# Altium PCB TK2560_PCB.PcbDoc (part 2 of 3) (continued)
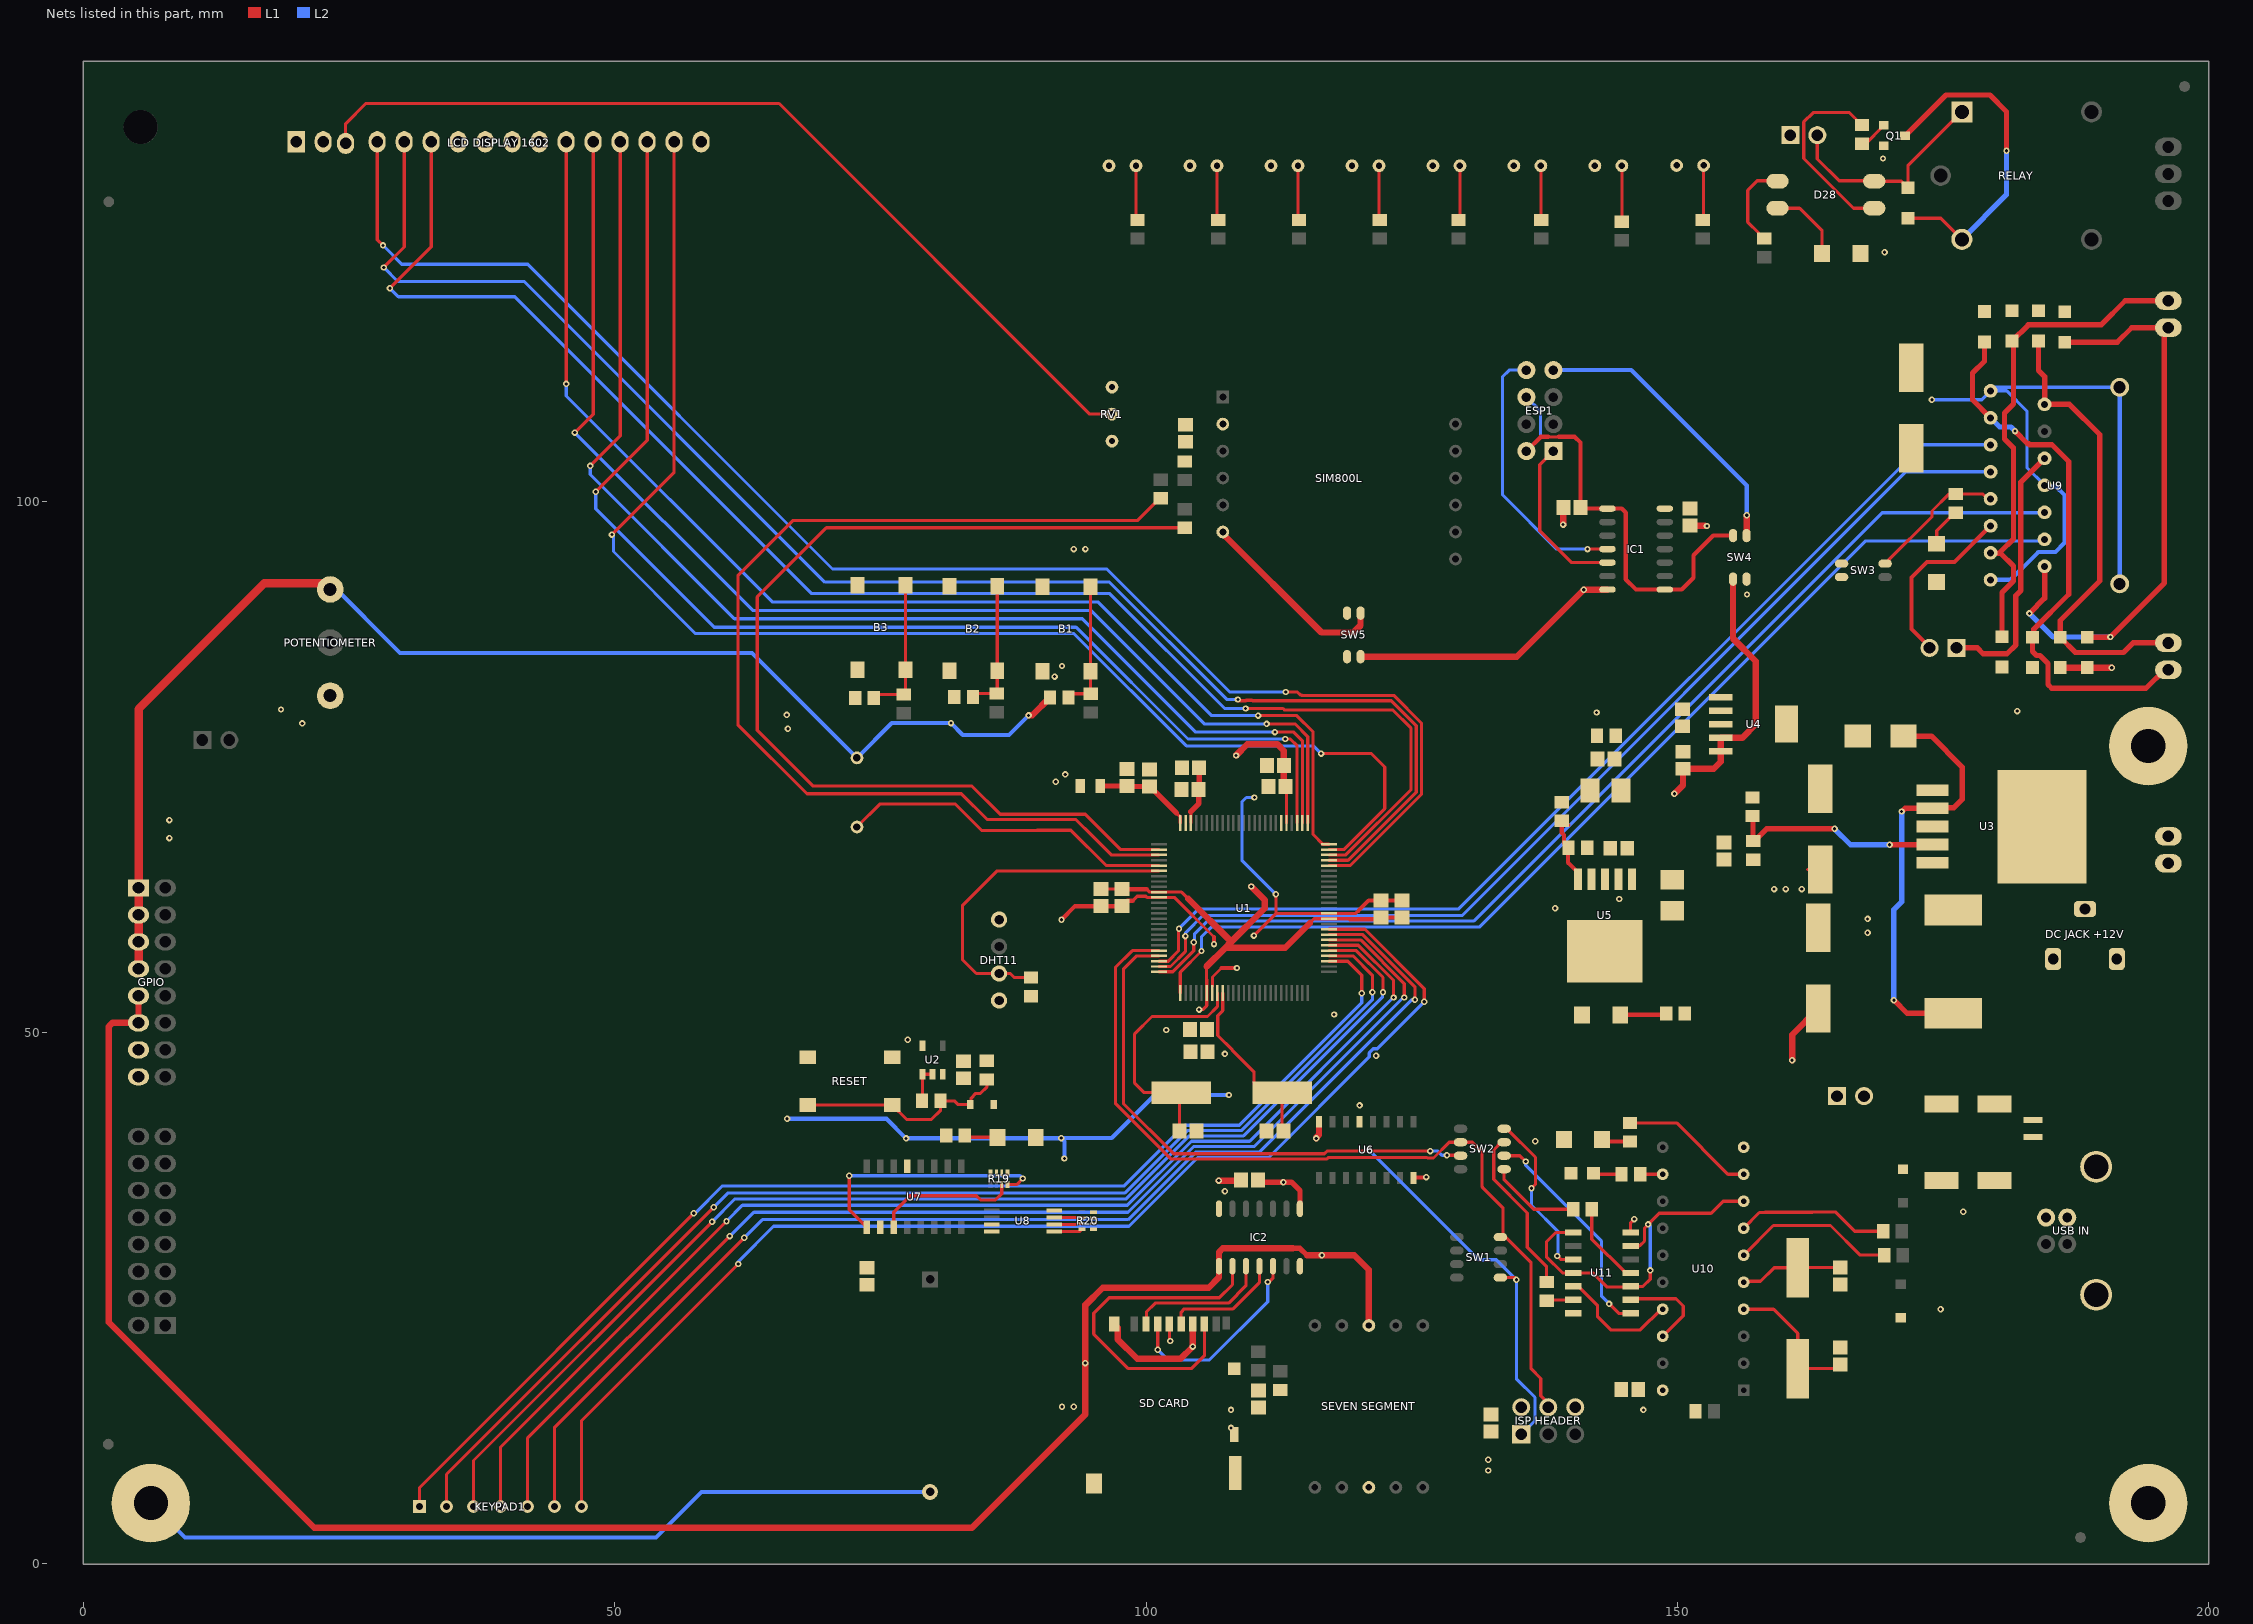
[diagram p2: the nets of this part, all layers, seen from the top]
## Part data (continued)
RV1: "TRIMMER 10K OHM 0.5W PC PIN TOP", Color=Blue, Manufacturer=Bourns, Manufacturer Part Number=3296W-1-103, Max Operating Temperature=125°C, Max Power Dissipation=500mW, Min Operating Temperature=-55°C, Package Quantity=50, Resistance=10kR, Resistance Tolerance=10%, Resistor Type=Cermet, Supplier Part Number 1=3296W-103-ND, Temperature Coefficient=100ppm/°C, Voltage Rating (DC)=500V, Category="Variable Resistors and Potentiometers", ComponentLink1Description=https://datasheet.ciiva.com/3266/3296-3266186.pdf?src-supplier=Avnet, ComponentLink1URL=https://datasheet.ciiva.com/3266/3296-3266186.pdf?src-supplier=Avnet, ComponentLink2Description=https://datasheet.ciiva.com/2164/3296-2164077.pdf?src-supplier=Digi-Key, ComponentLink2URL=https://datasheet.ciiva.com/2164/3296-2164077.pdf?src-supplier=Digi-Key, ComponentLink3Description=https://datasheet.ciiva.com/1570/1815117-1570414.pdf?src-supplier=Newark, ComponentLink3URL=https://datasheet.ciiva.com/1570/1815117-1570414.pdf?src-supplier=Newark, Contact Plating=Tin,Lead, Depth=4.83mm, Height=0.395inch, Length=9.53mm, Military Standard=Not, Mount="PCB,Through Hole", Number of Turns=25, Packaging=Rail/Tube, Power Rating=500mW, Pricing 1="1=4.38000, 10=3.83600, 25=3.42520, 50=3.21960, 100=3.15100, 250=3.01400, 500=2.46600, 1000=2.12350, 5000=1.91800 (USD)", Radiation Hardening=No, REACH SVHC="No SVHC", RoHS=No, RoHS Compliant=No, Series="Trimpot® 3296 - Sealed", Stock 1=58, Taper=Linear, Technology=CERMET, Termination=Pin, Thickness=5.59mm, Tolerance=10%, Weight=0.03oz, Width=9.53mm
"SD CARD": "CONN MICRO SD CARD PUSH-PUSH R/A", Manufacturer="Hirose Electric Co Ltd", Supplier Part Number 1=HR1942TR-ND, Card Type="Secure Digital - microSD™", ComponentLink1Description=Datasheet, ComponentLink1URL=https://www.hirose.com/product/download/?distributor=digikey&type=specSheet&lang=en&num=DM3BT-DSF-PEJS, ComponentLink2Description="DigiKey Link", ComponentLink2URL=//digikey.com/product-detail/en/hirose-electric-co-ltd/DM3BT-DSF-PEJS/HR1942TR-ND/1982749, Connector Type="Connector and Ejector", Contact Finish=Gold, Features=Switch, Height Above Board="0.072\" (1.83mm)", Insertion, Removal Method="Push In, Push Out", LastUpdated="16/12/2019 20:35:34", Lifecycle Status=0, Minimum Order=1, Mounting Feature="Reverse - Bottom", Mounting Type="Surface Mount, Right Angle", Number of Positions="10 (8 + 2)", Packaging=TapeAndReel, Part Number=DM3BT-DSF-PEJS, Part Status=Active, Price=1.25, Series=DM3, Supplier 1=DigiKey
"SEVEN SEGMENT": "LED Displays & Accessories Single Red 640nm Common Anode", Case/Package=DIP, Color=Red, Forward Current=20mA, Forward Voltage=1.85V, Manufacturer=Kingbright, Manufacturer Part Number=SA05-11SRWA, Max Operating Temperature=85°C, Max Power Dissipation=75mW, Min Operating Temperature=-40°C, Package Quantity=40, Supplier Part Number 1=754-1677-5-ND, Category="LED Displays", Character Height=12.7mm, Character Width=7.3mm, ComponentLink1Description=https://datasheet.ciiva.com/16484/sa05-11srwa-16484660.pdf?src-supplier=Future+Electronics, ComponentLink1URL=https://datasheet.ciiva.com/16484/sa05-11srwa-16484660.pdf?src-supplier=Future+Electronics, ComponentLink2Description=https://datasheet.ciiva.com/11771/0900766b802001c1-11771105.pdf?src-supplier=RSComponents, ComponentLink2URL=https://datasheet.ciiva.com/11771/0900766b802001c1-11771105.pdf?src-supplier=RSComponents, ComponentLink3Description=https://datasheet.ciiva.com/2104/sa05-11srwa-2104885.pdf?src-supplier=Digi-Key, ComponentLink3URL=https://datasheet.ciiva.com/2104/sa05-11srwa-2104885.pdf?src-supplier=Digi-Key, ComponentLink4Description=https://datasheet.ciiva.com/4421/sa05-11srwa-42646-4421784.pdf?src-supplier=Mouser, ComponentLink4URL=https://datasheet.ciiva.com/4421/sa05-11srwa-42646-4421784.pdf?src-supplier=Mouser, ComponentLink5Description=https://datasheet.ciiva.com/26291/sa05-11srwa-26291690.pdf?src-supplier=Digi-Key, ComponentLink5URL=https://datasheet.ciiva.com/26291/sa05-11srwa-26291690.pdf?src-supplier=Digi-Key, Display Type=Segment, Element Configuration="Common Anode", Height=0.748inch, Illumination Color=Red, Lead Free="Lead Free", Length=0.75inch, Luminous Intensity=34mcd, Mount="Through Hole", Number of Characters=1, Number of Pins=10, Number of Segments=7, Operating Supply Voltage=1.85V, Packaging=Bulk, Power Consumption=75mW, Pricing 1="1=1.96000, 10=1.24000, 100=0.91770, 500=0.84334, 1000=0.69451, 2000=0.65979, 5000=0.64490, 10000=0.63180 (USD)", RoHS=Yes, RoHS Compliant=Yes, Stock 1=1638, Supplier 1=Digi-Key, Test Current=20mA, Wavelength=640nm, Width=0.5inch
SW1 SW2: library part 218-4LPSTR, "SWITCH SLIDE DIP SPST 25MA 24V", Current Rating (Amps)=25mA, Manufacturer="CTS Electrocomponents", Operating Temperature="-55°C ~ 85°C", Supplier Part Number 1=CT3110CT-ND, Voltage Rating=24VDC, Actuator Level="Flush, Recessed", Actuator Type="Slide (Standard)", Circuit=SPST, ComponentLink1Description=Datasheet, ComponentLink1URL=https://www.ctscorp.com/wp-content/uploads/218.pdf, ComponentLink2Description="DigiKey Link", ComponentLink2URL=http://digikey.com/product-detail/en/cts-electrocomponents/218-4LPSTR/CT3110CT-ND/5875763, Contact Finish=Gold, Contact Material="Beryllium Copper", Features="Epoxy Sealed Terminals, Tape Seal", Height Above Board="0.104\" (2.65mm)", LastUpdated="04/01/2020 18:53:14", Lifecycle Status=Active, Minimum Order=1, Mounting Type="Surface Mount", Number of Positions=4, Packaging=ReReel, Part Number=218-4LPSTR, Part Status=Active, PartId=9, Pitch="0.050\" (1.27mm), Half", Price=0.00, Series=218, Supplier 1=DigiKey, Termination Style="Gull Wing", Washable=Yes
SW3 SW4 SW5: "SWITCH SLIDE DIP SPST 25MA 24V", Current Rating (Amps)=25mA, Manufacturer="CTS Electrocomponents", Operating Temperature="-55°C ~ 85°C", Supplier Part Number 1=CT2182LPST-ND, Voltage Rating=24VDC, Actuator Level="Flush, Recessed", Actuator Type="Slide (Standard)", Circuit=SPST, ComponentLink1Description=Datasheet, ComponentLink1URL=https://www.ctscorp.com/wp-content/uploads/218.pdf, ComponentLink2Description="DigiKey Link", ComponentLink2URL=http://digikey.com/product-detail/en/cts-electrocomponents/218-2LPST/CT2182LPST-ND/267319, Contact Finish=Gold, Contact Material="Beryllium Copper", Features="Epoxy Sealed Terminals, Tape Seal", Height Above Board="0.104\" (2.65mm)", Lifecycle Status=Active, Minimum Order=1, Mounting Type="Surface Mount", Number of Positions=2, Packaging=Tube, Part Number=218-2LPST, Part Status=Active, PartId=3, Pitch="0.050\" (1.27mm), Half", Price=1.04, Series=218, Supplier 1=DigiKey, Termination Style="Gull Wing", Washable=Yes
  SW3: LastUpdated="1/4/2020 18:30:26"
  SW4 SW5: LastUpdated="04/01/2020 18:30:26"
U1: "ATMEGA2560 IC MCU 8BIT 256KB FLASH 100TQFP", Case/Package=A, Frequency=16MHz, Manufacturer="Microchip / Atmel", Max Operating Temperature=85°C, Max Supply Voltage=5.5V, Min Operating Temperature=-40°C, Min Supply Voltage=4.5V, Operating Supply Voltage=5V, Package Quantity=1500, Supplier Part Number 1=ATMEGA2560-16AURCT-ND, Category=Microcontrollers, ComponentLink1Description=https://datasheet.ciiva.com/6641/atmel-2549-8-bit-avr-microcontroller-atmega640-1280-1281-2560-2561-summary-6641242.pdf?src-supplier=Digi-Key, ComponentLink1URL=https://datasheet.ciiva.com/6641/atmel-2549-8-bit-avr-microcontroller-atmega640-1280-1281-2560-2561-summary-6641242.pdf?src-supplier=Digi-Key, ComponentLink2Description=https://datasheet.ciiva.com/6641/atmel-2549-8-bit-avr-microcontroller-atmega640-1280-1281-2560-2561-summary-6641243.pdf?src-supplier=Digi-Key, ComponentLink2URL=https://datasheet.ciiva.com/6641/atmel-2549-8-bit-avr-microcontroller-atmega640-1280-1281-2560-2561-summary-6641243.pdf?src-supplier=Digi-Key, ComponentLink3Description=https://datasheet.ciiva.com/6641/atmel-2549-8-bit-avr-microcontroller-atmega640-1280-1281-2560-2561-summary-6641244.pdf?src-supplier=Digi-Key, ComponentLink3URL=https://datasheet.ciiva.com/6641/atmel-2549-8-bit-avr-microcontroller-atmega640-1280-1281-2560-2561-summary-6641244.pdf?src-supplier=Digi-Key, Contact Plating=Tin,Matte, Core Architecture=AVR, Data Bus Width=8b, Interface=I2C,SPI,UART,USART,EBI/EMI, Lead Free="Lead Free", Manufacturer Part Number=ATMEGA2560-16AUR, Max Frequency=16MHz, Memory Size=256KB, Memory Type=FLASH, Mount="Surface Mount", Number of I/Os=86, Number of Pins=100, Number of Programmable I/O=86, Number of Timers/Counters=6, Oscillator Type=Internal, Packaging="Tape and Reel", Peripherals="Brown-out Detect/Reset,POR,PWM,WDT", Pricing 1="1=11.99000, 25=10.99000, 100=9.95010 (USD)", RAM Size=8KB, REACH SVHC="No SVHC", RoHS=Yes, Stock 1=900, Supplier 1=Digi-Key, Watchdog Timer=Yes
U2: "TEXAS INSTRUMENTS - SN74AHC1G09DBVR - AND Gate, 74AHC1G09, 2 Input, 2 V to 5.5 V, SOT-23-5", Case/Package=SOT-23, Low Level Output Current=8mA, Manufacturer="Texas Instruments", Max Operating Temperature=125°C, Max Supply Voltage=5.5V, Min Operating Temperature=-55°C, Min Supply Voltage=2V, Output Current=25mA, Package Quantity=3000, Quiescent Current=1uA, Supplier Part Number 1=296-29202-1-ND, Category="Logic Gates", ComponentLink1Description=https://datasheet.ciiva.com/1864/sn74ahc1g09-1864410.pdf?src-supplier=Digi-Key, ComponentLink1URL=https://datasheet.ciiva.com/1864/sn74ahc1g09-1864410.pdf?src-supplier=Digi-Key, ComponentLink2Description=https://datasheet.ciiva.com/1864/sn74ahc1g09-1864411.pdf?src-supplier=Digi-Key, ComponentLink2URL=https://datasheet.ciiva.com/1864/sn74ahc1g09-1864411.pdf?src-supplier=Digi-Key, ComponentLink3Description=https://datasheet.ciiva.com/1864/sn74ahc1g09-1864412.pdf?src-supplier=Digi-Key, ComponentLink3URL=https://datasheet.ciiva.com/1864/sn74ahc1g09-1864412.pdf?src-supplier=Digi-Key, Contact Plating=Tin,Matte, Lead Free="Lead Free", Logic Function="AND GATE", Manufacturer Part Number=SN74AHC1G09DBVR, Mount="Surface Mount", Number of Bits=1, Number of Circuits=1, Number of Elements=1, Number of Gates=1, Number of Inputs=2, Number of Outputs=1, Number of Pins=5, Output Voltage=5.5V, Packaging="Tape and Reel", Pricing 1="1=0.36000, 10=0.27100, 25=0.23760, 100=0.15370, 250=0.12720, 500=0.10176, 1000=0.07802 (USD)", Propagation Delay=7.5ns, Radiation Hardening=No, REACH SVHC="No SVHC", RoHS=Yes, RoHS Compliant=Yes, Series=74AHC, Stock 1=8299, Supplier 1=Digi-Key, Technology=CMOS
U3: "Sw. Regulator 3A Adj. Step-Down D2PAK-5", Case/Package=D2PAK, Manufacturer="ON Semiconductor", Max Input Voltage=40V, Max Operating Temperature=125°C, Max Output Current=3A, Max Output Voltage=37V, Min Input Voltage=4.5V, Min Operating Temperature=-40°C, Min Output Voltage=1.23V, Package Quantity=800, Supplier Part Number 1=LM2596DSADJR4GOSCT-ND, Switching Frequency=150kHz, Category="Voltage Regulators - Switching", ComponentLink1Description=https://datasheet.ciiva.com/15113/getdatasheetpartid-224280-15113862.pdf?src-supplier=Verical, ComponentLink1URL=https://datasheet.ciiva.com/15113/getdatasheetpartid-224280-15113862.pdf?src-supplier=Verical, ComponentLink2Description=https://datasheet.ciiva.com/6603/lm2596-d-6603896.pdf?src-supplier=Digi-Key, ComponentLink2URL=https://datasheet.ciiva.com/6603/lm2596-d-6603896.pdf?src-supplier=Digi-Key, ComponentLink3Description=https://datasheet.ciiva.com/6603/lm2596-d-6603897.pdf?src-supplier=Digi-Key, ComponentLink3URL=https://datasheet.ciiva.com/6603/lm2596-d-6603897.pdf?src-supplier=Digi-Key, ComponentLink4Description=https://datasheet.ciiva.com/6603/lm2596-d-6603898.pdf?src-supplier=Digi-Key, ComponentLink4URL=https://datasheet.ciiva.com/6603/lm2596-d-6603898.pdf?src-supplier=Digi-Key, ComponentLink5Description=https://datasheet.ciiva.com/8270/lm2596-d-8270188.pdf?src-supplier=Avnet, ComponentLink5URL=https://datasheet.ciiva.com/8270/lm2596-d-8270188.pdf?src-supplier=Avnet, Efficiency=73%, Halogen Free="Halogen Free", Height=9.347mm, Lead Free="Lead Free", Length=10.24mm, Manufacturer Part Number=LM2596DSADJR4G, Mount="Surface Mount", Number of Outputs=1, Number of Pins=5, Operating Supply Voltage=40V, Output Current=3A, Output Type=Adjustable, Output Voltage=37V, Packaging="Tape and Reel", Pricing 1="1=2.24000, 10=2.01100, 25=1.89760, 100=1.59390 (USD)", Radiation Hardening=No, REACH SVHC="No SVHC", RoHS=Yes, RoHS Compliant=Yes, Series=LM2596, Stock 1=3215, Supplier 1=Digi-Key, Switching Frequency-Max=150kHz, Synchronous Rectifier=No, Topology=Buck-Boost, Width=4.572mm
U4: "IC REG LINEAR 3.3V 1.5A SOT223-6", Case/Package=SOT-223, Dropout Voltage=340mV, Input Bias Current=1mA, Manufacturer="Texas Instruments", Max Input Voltage=20V, Max Operating Temperature=125°C, Max Output Current=1.5A, Max Output Voltage=3.3V, Min Current Limit=1.6A, Min Input Voltage=2.1V, Min Operating Temperature=-40°C, Package Quantity=1, Accuracy=3%, Category="Voltage Regulators - Linear", ComponentLink1Description=https://datasheet.ciiva.com/2046/tl1963a-2046161.pdf?src-supplier=Digi-Key, ComponentLink1URL=https://datasheet.ciiva.com/2046/tl1963a-2046161.pdf?src-supplier=Digi-Key, ComponentLink2Description=https://datasheet.ciiva.com/2046/tl1963a-2046162.pdf?src-supplier=Digi-Key, ComponentLink2URL=https://datasheet.ciiva.com/2046/tl1963a-2046162.pdf?src-supplier=Digi-Key, ComponentLink3Description=https://datasheet.ciiva.com/2046/tl1963a-2046163.pdf?src-supplier=Digi-Key, ComponentLink3URL=https://datasheet.ciiva.com/2046/tl1963a-2046163.pdf?src-supplier=Digi-Key, ComponentLink4Description=https://datasheet.ciiva.com/26176/tl1963a-25-26176569.pdf?src-supplier=Avnet+Europe, ComponentLink4URL=https://datasheet.ciiva.com/26176/tl1963a-25-26176569.pdf?src-supplier=Avnet+Europe, Contact Plating=Gold, Lead Free="Lead Free", Manufacturer Part Number=TL1963A-33DCQR, Min Output Voltage=3.3V, Number of Outputs=1, Number of Pins=6, Number of Regulators=1, Output Current=1.5A, Output Type=Fixed, Output Voltage=3.3V, Packaging="Tape and Reel", Polarity=Positive, Pricing 1="1=3.03940, 10=2.70250, 25=2.66220, 100=2.15850, 250=2.13670, 500=1.82850, 1000=1.81010, 2500=2.81000, 25000=2.65000, 250000=1.72200, 1250000=1.24700, 2500000=1.24300 (USD)", Quiescent Current=1mA, Radiation Hardening=No, RoHS=Yes, RoHS Compliant=Yes, Series=-, Stock 1=1994, Supplier 1="Arrow Electronics", Supplier Part Number 1=TL1963A-33DCQR
U5: "IC REG LINEAR POS ADJ 3A TO252-5", Case/Package=TO-263-6, Dropout Voltage=450mV, Manufacturer=Microchip, Max Operating Temperature=125°C, Min Current Limit=3A, Min Input Voltage=3V, Min Operating Temperature=-40°C, Output Voltage=15V, Output Voltage Accuracy=2%, Supplier Part Number 1=576-4106-1-ND, Category="Voltage Regulators - Linear", ComponentLink1Description=https://datasheet.ciiva.com/6582/mic29302a-6582272.pdf?src-supplier=Digi-Key, ComponentLink1URL=https://datasheet.ciiva.com/6582/mic29302a-6582272.pdf?src-supplier=Digi-Key, ComponentLink2Description=https://datasheet.ciiva.com/6582/mic29302a-6582270.pdf?src-supplier=Digi-Key, ComponentLink2URL=https://datasheet.ciiva.com/6582/mic29302a-6582270.pdf?src-supplier=Digi-Key, Lead Free="Lead Free", Manufacturer Part Number=MIC29302AWD-TR, Mount="Surface Mount", Number of Outputs=1, Number of Regulators=1, Output Current=3A, Packaging="Tape and Reel", Polarity=Positive, Pricing 1="1=1.96000, 25=1.64000, 100=1.49000 (USD)", RoHS=No, RoHS Compliant=No, Series=-, Stock 1=2431, Supplier 1=Digi-Key
U6: "IC SHIFT REGISTR 8BIT 3ST 16SOIC", Case/Package=SOIC, Manufacturer="ON Semiconductor", Max Operating Temperature=125°C, Max Supply Voltage=6V, Min Operating Temperature=-55°C, Package Quantity=1, Supplier Part Number 1=MC74HC595ADR2OSCT-ND, Category="Shift Registers", ComponentLink1Description=https://datasheet.ciiva.com/1887/mc74hc595a-d-1887894.pdf?src-supplier=Digi-Key, ComponentLink1URL=https://datasheet.ciiva.com/1887/mc74hc595a-d-1887894.pdf?src-supplier=Digi-Key, ComponentLink2Description=https://datasheet.ciiva.com/1887/mc74hc595a-d-1887895.pdf?src-supplier=Digi-Key, ComponentLink2URL=https://datasheet.ciiva.com/1887/mc74hc595a-d-1887895.pdf?src-supplier=Digi-Key, Lead Free="Contains Lead", Logic Function="Shift Register", Manufacturer Part Number=MC74HC595ADR2, Mount="Surface Mount", Number of Bits=8, Number of Bits per Element=8, Number of Circuits=2, Number of Elements=1, Number of Input Lines=3, Number of Output Lines=3, Number of Pins=16, Output Type=3-STATE, Packaging="Tape and Reel", Propagation Delay=24ns, RoHS=No, RoHS Compliant=No, Series=74HC, Supplier 1=Digi-Key, Voltage=6V
U7: "MAXIM INTEGRATED PRODUCTS - DS3231SN#T&R - IC, RTC, Datum-/Zeitformat (Tag/Datum/Monat/Jahr, hh:mm:ss), I2C, 2.3V-5.5V Versorgung, SOIC-16", Case/Package=SOIC, Manufacturer=Maxim, Manufacturer Part Number=DS3231SN#T&R, Max Operating Temperature=85°C, Max Supply Voltage=5.5V, Min Operating Temperature=-40°C, Min Supply Voltage=2.3V, Operating Supply Voltage=3.3V, Package Quantity=1000, Supplier Part Number 1=DS3231SN#T&RCT-ND, Category="Real Time Clocks", ComponentLink1Description=https://datasheet.ciiva.com/17307/ds3231-17307128.pdf?src-supplier=Avnet+Europe, ComponentLink1URL=https://datasheet.ciiva.com/17307/ds3231-17307128.pdf?src-supplier=Avnet+Europe, ComponentLink2Description=https://datasheet.ciiva.com/12291/ds3231-102175-12291260.pdf?src-supplier=Mouser, ComponentLink2URL=https://datasheet.ciiva.com/12291/ds3231-102175-12291260.pdf?src-supplier=Mouser, ComponentLink3Description=https://datasheet.ciiva.com/14244/ds3231-14244637.pdf?src-supplier=Avnet, ComponentLink3URL=https://datasheet.ciiva.com/14244/ds3231-14244637.pdf?src-supplier=Avnet, ComponentLink4Description=https://datasheet.ciiva.com/14244/ds3231-14244733.pdf?src-supplier=Avnet, ComponentLink4URL=https://datasheet.ciiva.com/14244/ds3231-14244733.pdf?src-supplier=Avnet, Contact Plating=Tin,Matte, Date Format=YY-MM-DD-dd, Interface=I2C,Serial,2-Wire, Lead Free="Lead Free", Logic Function=Clock, Mount="Surface Mount", Number of Pins=16, Packaging="Tape and Reel", Pricing 1="1=8.82000, 10=7.96700, 25=7.59600, 100=6.59560, 250=6.29920, 500=5.74336 (USD)", Radiation Hardening=No, RoHS=Yes, RoHS Compliant=Yes, Series=-, Stock 1=4168, Supplier 1=Digi-Key, Time Format=HH:MM:SS
U8: "EEPROM Serial-2Wire 32K-bit 4K x 8 1.8V/2.5V/3.3V/5V 8-Pin SOIC T/R", Case/Package=SOIC, Frequency=1MHz, Manufacturer="Microchip / Atmel", Max Operating Temperature=85°C, Max Supply Voltage=5.5V, Min Operating Temperature=-40°C, Min Supply Voltage=1.7V, Nominal Supply Current=3mA, Operating Supply Voltage=5V, Package Quantity=1, Supplier Part Number 1=AT24C32D-SSHM-TCT-ND, Access Time=550ns, Access Time-Max=550ns, Category=EEPROM, ComponentLink1Description=https://datasheet.ciiva.com/15123/getdatasheetpartid-320868-15123383.pdf?src-supplier=Verical, ComponentLink1URL=https://datasheet.ciiva.com/15123/getdatasheetpartid-320868-15123383.pdf?src-supplier=Verical, ComponentLink2Description=https://datasheet.ciiva.com/5700/1744693-5700966.pdf?src-supplier=Farnell, ComponentLink2URL=https://datasheet.ciiva.com/5700/1744693-5700966.pdf?src-supplier=Farnell, ComponentLink3Description=https://datasheet.ciiva.com/26869/at24c32d-sshm-t-26869756.pdf?src-supplier=IIIC, ComponentLink3URL=https://datasheet.ciiva.com/26869/at24c32d-sshm-t-26869756.pdf?src-supplier=IIIC, ComponentLink4Description=https://datasheet.ciiva.com/6615/atmel-8866-seeprom-at24c32d-datasheet-6615162.pdf?src-supplier=Digi-Key, ComponentLink4URL=https://datasheet.ciiva.com/6615/atmel-8866-seeprom-at24c32d-datasheet-6615162.pdf?src-supplier=Digi-Key, ComponentLink5Description=https://datasheet.ciiva.com/24168/atmel-8850-seeprom-at24c64d-datasheet-24168478.pdf?src-supplier=Future+Electronics, ComponentLink5URL=https://datasheet.ciiva.com/24168/atmel-8850-seeprom-at24c64d-datasheet-24168478.pdf?src-supplier=Future+Electronics, ComponentLink6Description=https://datasheet.ciiva.com/18617/atmel-8866-seeprom-at24c32d-datasheet-18617722.pdf?src-supplier=Digi-Key, ComponentLink6URL=https://datasheet.ciiva.com/18617/atmel-8866-seeprom-at24c32d-datasheet-18617722.pdf?src-supplier=Digi-Key, ComponentLink7Description=https://datasheet.ciiva.com/6615/atmel-8866-seeprom-at24c32d-datasheet-6615163.pdf?src-supplier=Digi-Key, ComponentLink7URL=https://datasheet.ciiva.com/6615/atmel-8866-seeprom-at24c32d-datasheet-6615163.pdf?src-supplier=Digi-Key, ComponentLink8Description=https://datasheet.ciiva.com/22729/1744693-22729500.pdf?src-supplier=Element14, ComponentLink8URL=https://datasheet.ciiva.com/22729/1744693-22729500.pdf?src-supplier=Element14, ComponentLink9Description=https://datasheet.ciiva.com/22618/1744693-22618573.pdf?src-supplier=Element14, ComponentLink9URL=https://datasheet.ciiva.com/22618/1744693-22618573.pdf?src-supplier=Element14, Density=32Kb, Interface=I2C,Serial,2-Wire, Lead Free="Lead Free", Manufacturer Part Number=AT24C32D-SSHM-T, Max Frequency=1MHz, Memory Size=32Kb, Memory Type=EEPROM, Mount="Surface Mount", Number of Pins=8, Organization=4KX8, Packaging="Tape and Reel", Pricing 1="1=0.44000 (USD)", Radiation Hardening=No, REACH SVHC="No SVHC", RoHS=Yes, RoHS Compliant=Yes, Series=-, Supply Current=3mA, Supply Voltage-Nom=5.5V, Voltage=5V, Write Cycle Time-Max (tWC)=5ms, Write Protection=YES
U9: "Motor / Motion / Ignition Controllers & Drivers Dual Full Bridge", Collector Emitter Voltage (VCEO)=46V, Manufacturer=STMicroelectronics, Max Collector Current=3A, Max Operating Temperature=130°C, Min Operating Temperature=-25°C, Min Supply Voltage=4.8V, Operating Supply Current=13mA, Operating Supply Voltage=42V, Output Current=2A, Package Quantity=25, Quiescent Current=500mA, Supplier Part Number 1=497-1395-5-ND, Category="Motor Drivers", ComponentLink1Description=https://datasheet.ciiva.com/15109/getdatasheetpartid-50682-15109332.pdf?src-supplier=Verical, ComponentLink1URL=https://datasheet.ciiva.com/15109/getdatasheetpartid-50682-15109332.pdf?src-supplier=Verical, ComponentLink2Description=https://datasheet.ciiva.com/19456/245403-19456698.pdf?src-supplier=Jameco, ComponentLink2URL=https://datasheet.ciiva.com/19456/245403-19456698.pdf?src-supplier=Jameco, ComponentLink3Description=https://datasheet.ciiva.com/25626/0900766b80060c26-25626619.pdf?src-supplier=RSComponents, ComponentLink3URL=https://datasheet.ciiva.com/25626/0900766b80060c26-25626619.pdf?src-supplier=RSComponents, ComponentLink4Description=https://datasheet.ciiva.com/14150/ofl298n-647108-dat-en-14150301.pdf?src-supplier=Distrelec, ComponentLink4URL=https://datasheet.ciiva.com/14150/ofl298n-647108-dat-en-14150301.pdf?src-supplier=Distrelec, ComponentLink5Description=https://datasheet.ciiva.com/29306/156128-da-01-en-dual-bridge-driv-l298n-29306997.pdf?src-supplier=Conrad, ComponentLink5URL=https://datasheet.ciiva.com/29306/156128-da-01-en-dual-bridge-driv-l298n-29306997.pdf?src-supplier=Conrad, ComponentLink6Description=https://datasheet.ciiva.com/26880/l298n-26880153.pdf?src-supplier=IIIC, ComponentLink6URL=https://datasheet.ciiva.com/26880/l298n-26880153.pdf?src-supplier=IIIC, ComponentLink7Description=https://datasheet.ciiva.com/1608/1693054-1608165.pdf?src-supplier=Newark, ComponentLink7URL=https://datasheet.ciiva.com/1608/1693054-1608165.pdf?src-supplier=Newark, ComponentLink8Description=https://datasheet.ciiva.com/1500/1693054-1500714.pdf?src-supplier=Element14, ComponentLink8URL=https://datasheet.ciiva.com/1500/1693054-1500714.pdf?src-supplier=Element14, ComponentLink9Description=https://datasheet.ciiva.com/1501/1693054-1501547.pdf?src-supplier=Element14, ComponentLink9URL=https://datasheet.ciiva.com/1501/1693054-1501547.pdf?src-supplier=Element14, ComponentLink10Description=https://datasheet.ciiva.com/1955/cd00000240-1955436.pdf?src-supplier=Digi-Key, ComponentLink10URL=https://datasheet.ciiva.com/1955/cd00000240-1955436.pdf?src-supplier=Digi-Key, ComponentLink11Description=https://datasheet.ciiva.com/4895/cd00000240-4895919.pdf?src-supplier=Mouser, ComponentLink11URL=https://datasheet.ciiva.com/4895/cd00000240-4895919.pdf?src-supplier=Mouser, Height=10.7mm, Lead Free="Lead Free", Length=19.6mm, Manufacturer Part Number=L298N, Max Output Current=3A, Max Supply Voltage=46V, Motor Type=Brushed, Mount="Through Hole", Number of Drivers=2, Number of Outputs=4, Number of Pins=15, Output Current per Channel=2A, Output Impedance=24mR, Output Voltage=46V, Packaging=Rail/Tube, Pricing 1="1=5.15000, 10=4.62700, 25=4.37400, 100=3.59650, 250=3.22712, 500=3.11046, 1000=2.58557, 2500=2.48837, 5000=2.47590 (USD)", Radiation Hardening=No, REACH SVHC="No SVHC", RoHS=Yes, RoHS Compliant=Yes, Series=-, Stock 1=13112, Supplier 1=Digi-Key, Width=5mm
U10: "ATMEL         ATTINY2313-20PU            8 Bit Microcontroller, Low Power High Performance, ATtiny, 20 MHz, 2 KB, 128 Byte, 20 Pins, DIP", Case/Package=DIP, Frequency=20MHz, Manufacturer="Microchip / Atmel", Max Operating Temperature=85°C, Max Supply Voltage=5.5V, Min Operating Temperature=-40°C, Min Supply Voltage=2.7V, Package Quantity=18, Supplier Part Number 1=ATTINY2313-20PU-ND, Access Time=20us, Address Bus Width=8b, Category=Microcontrollers, ComponentLink1Description=https://datasheet.ciiva.com/1167/doc2543-1167040.pdf?src-supplier=Newark, ComponentLink1URL=https://datasheet.ciiva.com/1167/doc2543-1167040.pdf?src-supplier=Newark, ComponentLink2Description=https://datasheet.ciiva.com/19481/1537061-19481586.pdf?src-supplier=Jameco, ComponentLink2URL=https://datasheet.ciiva.com/19481/1537061-19481586.pdf?src-supplier=Jameco, ComponentLink3Description=https://datasheet.ciiva.com/15122/getdatasheetpartid-143079-15122628.pdf?src-supplier=Verical, ComponentLink3URL=https://datasheet.ciiva.com/15122/getdatasheetpartid-143079-15122628.pdf?src-supplier=Verical, ComponentLink4Description=https://datasheet.ciiva.com/20168/73-4316-20168308.pdf?src-supplier=Rapid+Electronics, ComponentLink4URL=https://datasheet.ciiva.com/20168/73-4316-20168308.pdf?src-supplier=Rapid+Electronics, ComponentLink5Description=https://datasheet.ciiva.com/14132/gn645062-14132485.pdf?src-supplier=Distrelec, ComponentLink5URL=https://datasheet.ciiva.com/14132/gn645062-14132485.pdf?src-supplier=Distrelec, ComponentLink6Description=https://datasheet.ciiva.com/1158/1131078-1158423.pdf?src-supplier=Element14, ComponentLink6URL=https://datasheet.ciiva.com/1158/1131078-1158423.pdf?src-supplier=Element14, ComponentLink7Description=https://datasheet.ciiva.com/26207/doc2543-26207001.pdf?src-supplier=Avnet+Europe, ComponentLink7URL=https://datasheet.ciiva.com/26207/doc2543-26207001.pdf?src-supplier=Avnet+Europe, ComponentLink8Description=https://datasheet.ciiva.com/6639/doc2543-6639931.pdf?src-supplier=Digi-Key, ComponentLink8URL=https://datasheet.ciiva.com/6639/doc2543-6639931.pdf?src-supplier=Digi-Key, ComponentLink9Description=https://datasheet.ciiva.com/3203/doc2543-3203135.pdf?src-supplier=Avnet, ComponentLink9URL=https://datasheet.ciiva.com/3203/doc2543-3203135.pdf?src-supplier=Avnet, Contact Plating=Tin,Matte, Core Architecture=AVR, Data Bus Width=8b, Density=2KB, Height=4.953mm, Interface=SPI,UART,USART, Lead Free="Lead Free", Length=25.98mm, Manufacturer Part Number=ATTINY2313-20PU, Max Frequency=20MHz, Memory Size=2KB, Memory Type=FLASH,EEPROM, Mount="Through Hole", Number of Bits=8, Number of I2C Channels=1, Number of I/Os=18, Number of Pins=20, Number of Programmable I/O=18, Number of PWM Channels=4, Number of SPI Channels=2, Number of Timers/Counters=2, Number of UART Channels=1, Oscillator Type=Internal, Packaging=Rail/Tube, Peripherals="Brown-out Detect/Reset,POR,PWM,WDT", Pricing 1="1=1.93000, 25=1.77120, 100=1.59500 (USD)", Radiation Hardening=No, RAM Size=128B, REACH SVHC="No SVHC", RoHS=Yes, RoHS Compliant=Yes, Series="AVR® ATtiny", Stock 1=1963, Supplier 1=Digi-Key, Watchdog Timer=Yes, Width=7.112mm
U11: "Buffer/Line Driver 4-CH Non-Inverting 3-ST CMOS 14-Pin SOP T/R", Case/Package=SO, High Level Output Current=-8mA, Low Level Output Current=8mA, Manufacturer="Texas Instruments", Max Operating Temperature=125°C, Max Supply Voltage=5.5V, Min Operating Temperature=-40°C, Min Supply Voltage=2V, Package Quantity=2000, Quiescent Current=4uA, Supplier Part Number 1=296-31733-1-ND, Category="Buffers, Drivers and Transceivers", ComponentLink1Description=https://datasheet.ciiva.com/6623/sn74ahc125-6623637.pdf?src-supplier=Digi-Key, ComponentLink1URL=https://datasheet.ciiva.com/6623/sn74ahc125-6623637.pdf?src-supplier=Digi-Key, Lead Free="Lead Free", Logic Function=Buffer,Inverting, Manufacturer Part Number=SN74AHC125NSR, Mount="Surface Mount", Number of Bits=4, Number of Bits per Element=1, Number of Channels=4, Number of Elements=4, Number of Input Lines=4, Number of Inputs=4, Number of Output Lines=4, Number of Outputs=4, Number of Pins=14, Output Type=3-STATE, Packaging="Tape and Reel", Polarity=Non-Inverting, Pricing 1="1=0.43000, 10=0.36600, 25=0.34120, 100=0.27310, 250=0.25356, 500=0.21454, 1000=0.16578 (USD)", Propagation Delay=7.5ns, RoHS=Yes, RoHS Compliant=Yes, Series=74AHC, Stock 1=3905, Supplier 1=Digi-Key, Technology=CMOS, Turn-On Delay Time=15ns
"USB IN": "CONN RCPT USB2.0 TYPEB 4POS R/A", Current Rating (Amps)=1A, Manufacturer="Amphenol ICC (FCI)", Operating Temperature="-55°C ~ 85°C", Supplier Part Number 1=609-3657-ND, ComponentLink1Description=Datasheet, ComponentLink1URL=http://www.amphenol-icc.com/media/wysiwyg/files/drawing/61729.pdf, ComponentLink2Description="DigiKey Link", ComponentLink2URL=//digikey.com/product-detail/en/amphenol-icc-fci/61729-1011BLF/609-3657-ND/1490763, Connector Type="USB - B", Features="Board Lock", Gender=Receptacle, LastUpdated="12/9/2019 20:52:52", Lifecycle Status=0, Mating Cycles=1500, Minimum Order=1, Mounting Feature=Horizontal, Mounting Type="Through Hole, Right Angle", Number of Contacts=4, Number of Ports=1, Packaging=Tube, Part Number=61729-1011BLF, Part Status=Active, Price=0.99, Series=61729, Shielding=Shielded, Specifications="USB 2.0", Supplier 1=DigiKey, Termination=Solder